# Altium PCB JMU-ETA-Ruler V2.0.PcbDoc (part 1 of 2)
Units mm, origin at the board's own origin, x right, y up, seen from the top; angles counter-clockwise.
Board outline 156.25 x 24.4 mm, 2 copper layers (Top Layer, Bottom Layer); 28 components, 0 nets, 863 pads, 0 vias.
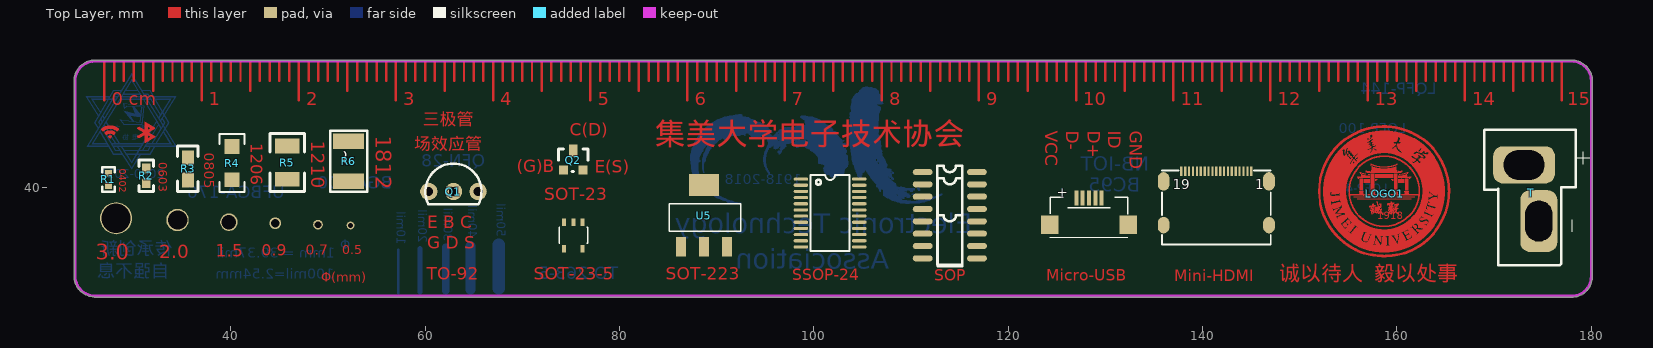
[diagram p0: Top Layer view]
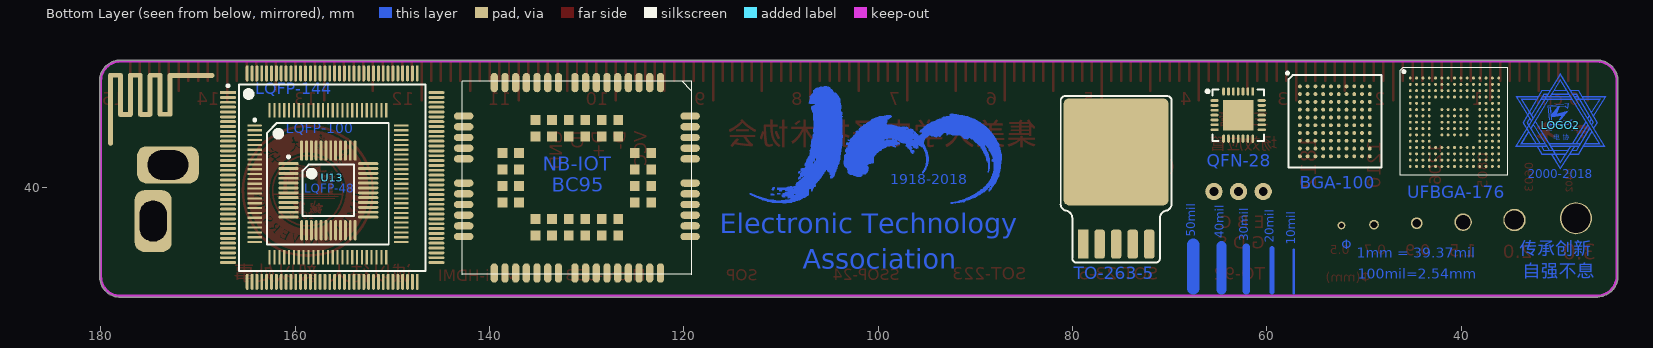
[diagram p1: Bottom Layer view, seen from below]

## Layer stack, top to bottom
Top Solder: solder mask 0.0102, Solder Resist, Dk 3.5
Top Layer: signal copper 0.0356
Dielectric 1: dielectric 0.32, FR-4, Dk 4.8
Bottom Layer: signal copper 0.0356
Bottom Solder: solder mask 0.0102, Solder Resist, Dk 3.5

## Board outline
23.873,30.902 23.873,51 cw(c26,51) 26,53.127 178,53.127 cw(c178,51) 180.127,51 cw(c180,51) 180.127,50.999 180.127,30.658 cw(c180,30.658) 180.111,30.596 cw(c178,30.857) 178,28.73 26.018,28.73 cw(c26.018,28.857) 25.938,28.758 cw(c26.018,30.902)

## Design rules (kind name [scope] priority, off if disabled: settings)
Clearance [All] p1: gap=0.254 ignorepadtopadclearanceinfootprint=FALSE except(0: Arc-Hole Track-Hole SMDPad-Hole THPad-Hole Via-Hole Fill-Hole Poly-Hole Region-Hole Text-Hole)
ComponentClearance [All] p1 off: gap=0 collisioncheckmode=3 verticalgap=0 showdistances=FALSE
PolygonConnect [All] p1: connectstyle=Relief reliefconductorwidth=0.254 reliefentries=4 polygonreliefangle="90 Angle" airgapwidth=0.254
RoutingVias [All] p1: holewidth=0.711 width=1.27 viastyle="Through Hole" minholewidth=0.711 minwidth=1.27 maxholewidth=0.711 maxwidth=1.27
SolderMaskExpansion [All] p1: expansion=0.102
Width [All] p1: maxlimit=10 minlimit=0.254 preferedwidth=0.254
29 further rules are at their usual default settings.

## Classes and differential pairs
component class 电协ruler: LOGO1 LOGO2 Q1 Q2 R1 R2 R3 R4 R5 R6 U5 U13

## Components (designator, comment, footprint, x,y, rotation, side; value= is the part's Value field where it differs from the comment)
LOGO1 "JMU_LOGO" JMU_LOGO(1.35cm) 158.75,39.37 r0 top
LOGO2 "电协LOGO" 电协LOGO 29.769,46.431 r180 bottom locked
Q1 "NPN" TO-92 60.35,39.573 r270 top
Q2 "NPN" SOT-23 74.248,41.808 r0 top
R1 "1K" 0402R 27.4,40.212 r90 top
R2 "1K" 0603R 31.275,40.502 r90 top
R3 "1K" 0805R 35.6,41.939 r270 top
R4 "1K" 1206R 40.1,42.577 r270 top
R5 "1K" 1210R 45.8,40.872 r90 top
R6 "1K" 1812 52.125,40.55 r90 top
T "T型头" T型头 173.05,42.723 r270 top
U5 "" SOT-223 88.697,37.109 r90 top
U7 "CP2102" QFN-28 65.38,48.971 r270 bottom
U13 "STM32F407ZET6" LQFP-144 164.719,49.682 r180 bottom
? "Comment" BC95 131.013,41.021 r270 bottom
? "Comment" 685119136923 141.427,38.1 r0 top
? "Comment" LQFP-100 161.138,45.009 r180 bottom
? "Comment" LQFP-48 156.591,39.726 r180 bottom
? "Comment" SO-16 111.201,41.607 r0 top
? "Comment" micro-USB 128.448,36.805 r0 top
? "Comment" UFBGA176_25 40.691,46.736 r180 bottom locked
? "Comment" JMU100 105.562,47.879 r180 top
? "Comment" SSOP-24 98.679,40.945 r0 top
? "Comment" TO-263-5 75.514,38.938 r180 bottom
? "Comment" SOT-23-5L 75.26,35.077 r270 top
? "Comment" "2.4G wifi" 176.759,48.666 r90 bottom
? "Comment" SOP-14 111.43,40.337 r0 top
? "Comment" so-8 111.201,36.527 r0 top

## Footprints (in the part's own frame and the unit in brackets; to place one, negate y for a bottom-side part, rotate by r counter-clockwise, add the part's x,y. Pads: shape width x height; smd on the part's side, far side on the other; paste and mask are expansions set on the pad)
"2.4G wifi" [mm]
  oval 0.5x1.5 smd: 1(-1.14,0.72) 1(-1.12,-1.32) 1(-1.11,-3.36) 1(2.9,-2.34) 1(2.9,-0.3) 1(2.9,1.74)
  oval 7.5x0.5 smd: 1(-0.6,2.25)
  oval 4.5x0.5 smd: 1(0.89,-3.87) 1(0.89,-2.85) 1(0.89,-1.83) 1(0.89,-0.81) 1(0.89,0.21) 1(0.89,1.23)
  oval 0.5x4.8 smd: 1(2.89,-6.05)
0402R [mm]
  rect 0.7x0.7 smd: 1(0,0) 2(1.27,0)
  silkscreen extent -0.64,-0.64 1.91,0.64, body extent 0.21,-0.2 1.21,0.3, height 0.35
0603R [mil]
  rect 40x35 smd: 1(-2,-1) 2(58,-1)
  silkscreen extent -35,-30 92,28, body extent -5,-17 61,15, height 22
0805R [mil]
  rect 60x50 smd: 1(-45,0) 2(45,0)
  silkscreen extent -92,-42 92,41, body extent -38,-25 40,25, height 22
1206R [mil]
  rect 60x60 smd: 1(-65.9,1.2) 2(69.1,1.2)
  silkscreen extent -116,-49 119,51, body extent -63,-30 63,33, height 24
1210R [mil]
  rect 60x100 smd: 1(0,0) 2(135,0)
  silkscreen extent -50,-70 185,70, body extent -12,-49 146,49, height 67
1812 [mm]
  rect 1.6x3.2 smd: 1(0.127,0) 2(4.227,0)
  silkscreen extent -0.97,-1.9 5.33,1.9, body extent -0.07,-1.6 4.43,1.6, height 1.6
685119136923 [mm] "Mini HDMI SMT Horizontal"
  rect 0.23x1 smd: 1(3.6,3.6) 2(3.2,3.6) 3(2.8,3.6) 4(2.4,3.6) 5(2,3.6) 6(1.6,3.6) 7(1.2,3.6) 8(0.8,3.6) 9(0.4,3.6) 10(0,3.6) 11(-0.4,3.6) 12(-0.8,3.6) 13(-1.2,3.6) 14(-1.6,3.6) 15(-2,3.6) 16(-2.4,3.6) 17(-2.8,3.6) 18(-3.2,3.6) 19(-3.6,3.6)
  oval 1.2x1.7 smd: Shell(-5.425,-1.95) Shell(5.425,-1.95)
  oval 1.2x1.9 smd: Shell(-5.425,2.55) Shell(5.425,2.55)
  silkscreen extent -5.6,-3.95 5.6,3.65, body extent -5.62,-3.95 5.63,3.95, height 3.29
BC95 [mm]
  oval 2x0.75 smd: 1(-9.8,8.6) 2(-9.8,7.5) 3(-9.8,6.4) 4(-9.8,5.3) 5(-9.8,4.2) 6(-9.8,3.1) 7(-9.8,2) 8(-9.8,0.9) 9(-9.8,-0.2) 10(-9.8,-1.9) 11(-9.8,-3) 12(-9.8,-4.1) 13(-9.8,-5.2) 14(-9.8,-6.3) 15(-9.8,-7.4) 16(-9.8,-8.5) 28(9.8,-8.5) 29(9.8,-7.4) 30(9.8,-6.3) 31(9.8,-5.2) 32(9.8,-4.1) 33(9.8,-3) 34(9.8,-1.9) 35(9.8,-0.2) 36(9.8,0.9) 37(9.8,2) 38(9.8,3.1) 39(9.8,4.2) 40(9.8,5.3) 41(9.8,6.4) 42(9.8,7.5) 43(9.8,8.6)
  oval 0.75x2 smd: 17(-6.35,-11.65) 18(-5.25,-11.65) 19(-4.15,-11.65) 20(-3.05,-11.65) 21(-1.95,-11.65) 22(0.55,-11.65) 23(1.65,-11.65) 24(2.75,-11.65) 25(3.85,-11.65) 26(4.95,-11.65) 27(6.05,-11.65) 44(6.05,11.65) 45(4.95,11.65) 46(3.85,11.65) 47(2.75,11.65) 48(1.65,11.65) 49(0.55,11.65) 50(-1.95,11.65) 51(-3.05,11.65) 52(-4.15,11.65) 53(-5.25,11.65) 54(-6.35,11.65)
  rect 1x1 smd: 55(-5.95,4.25) 56(-5.95,2.55) 57(-5.95,0.85) 58(-5.95,-0.85) 59(-5.95,-2.55) 60(-5.95,-4.25) 61(-2.55,-7.65) 62(-0.85,-7.65) 63(0.85,-7.65) 64(2.55,-7.65) 65(5.95,-4.25) 66(5.95,-2.55) 67(5.95,-0.85) 68(5.95,0.85) 69(5.95,2.55) 70(5.95,4.25) 71(2.55,7.65) 72(0.85,7.65) 73(-0.85,7.65) 74(-2.55,7.65) 75(-4.25,4.25) 76(-4.25,2.55) 77(-4.25,0.85) 78(-4.25,-0.85) 79(-4.25,-2.55) 80(-4.25,-4.25) 81(-2.55,-5.95) 82(-0.85,-5.95) 83(0.85,-5.95) 84(2.55,-5.95) 85(4.25,-4.25) 86(4.25,-2.55) 87(4.25,-0.85) 88(4.25,0.85) 89(4.25,2.55) 90(4.25,4.25) 91(2.55,5.95) 92(0.85,5.95) 93(-0.85,5.95) 94(-2.55,5.95)
  silkscreen extent -9.96,-11.8 9.96,11.8
JMU100 [mm]
  Bottom Layer drawing of 979 lines, arcs and shapes, not listed
JMU_LOGO(1.35cm) [mm]
  Top Layer drawing of 2455 lines, arcs and shapes, not listed
LQFP-48 [mm]
  oval 2.1x0.3 smd: 1(-4.1,2.75) 2(-4.1,2.25) 3(-4.1,1.75) 4(-4.1,1.25) 5(-4.1,0.75) 6(-4.1,0.25) 7(-4.1,-0.25) 8(-4.1,-0.75) 9(-4.1,-1.25) 10(-4.1,-1.75) 11(-4.1,-2.25) 12(-4.1,-2.75) 25(4.1,-2.75) 26(4.1,-2.25) 27(4.1,-1.75) 28(4.1,-1.25) 29(4.1,-0.75) 30(4.1,-0.25) 31(4.1,0.25) 32(4.1,0.75) 33(4.1,1.25) 34(4.1,1.75) 35(4.1,2.25) 36(4.1,2.75)
  oval 0.3x2.1 smd: 13(-2.75,-4.1) 14(-2.25,-4.1) 15(-1.75,-4.1) 16(-1.25,-4.1) 17(-0.75,-4.1) 18(-0.25,-4.1) 19(0.25,-4.1) 20(0.75,-4.1) 21(1.25,-4.1) 22(1.75,-4.1) 23(2.25,-4.1) 24(2.75,-4.1) 37(2.75,4.1) 38(2.25,4.1) 39(1.75,4.1) 40(1.25,4.1) 41(0.75,4.1) 42(0.25,4.1) 43(-0.25,4.1) 44(-0.75,4.1) 45(-1.25,4.1) 46(-1.75,4.1) 47(-2.25,4.1) 48(-2.75,4.1)
  silkscreen extent -4.23,-2.65 2.65,3.57, body extent -4.5,-4.5 4.5,4.5, height 1.5
LQFP-100 [mm]
  oval 1.5x0.22 smd: 1(-3.048,1.397)
  rect 1.5x0.22 smd: 2(-3.048,0.897) 3(-3.048,0.397) 4(-3.048,-0.103) 5(-3.048,-0.603) 6(-3.048,-1.103) 7(-3.048,-1.603) 8(-3.048,-2.103) 9(-3.048,-2.603) 10(-3.048,-3.103) 11(-3.048,-3.603) 12(-3.048,-4.103) 13(-3.048,-4.603) 14(-3.048,-5.103) 15(-3.048,-5.603) 16(-3.048,-6.103) 17(-3.048,-6.603) 18(-3.048,-7.103) 19(-3.048,-7.603) 20(-3.048,-8.103) 21(-3.048,-8.603) 22(-3.048,-9.103) 23(-3.048,-9.603) 24(-3.048,-10.103) 25(-3.048,-10.603) 51(12.05,-10.603) 52(12.05,-10.103) 53(12.05,-9.603) 54(12.05,-9.103) 55(12.05,-8.603) 56(12.05,-8.103) 57(12.05,-7.603) 58(12.05,-7.103) 59(12.05,-6.603) 60(12.05,-6.103) 61(12.05,-5.603) 62(12.05,-5.103) 63(12.05,-4.603) 64(12.05,-4.103) 65(12.05,-3.603) 66(12.05,-3.103) 67(12.05,-2.603) 68(12.05,-2.103) 69(12.05,-1.603) 70(12.05,-1.103) 71(12.05,-0.603) 72(12.05,-0.103) 73(12.05,0.397) 74(12.05,0.897) 75(12.05,1.397)
  rect 0.22x1.5 smd: 26(-1.499,-12.152) 27(-0.999,-12.152) 28(-0.499,-12.152) 29(0.001,-12.152) 30(0.501,-12.152) 31(1.001,-12.152) 32(1.501,-12.152) 33(2.001,-12.152) 34(2.501,-12.152) 35(3.001,-12.152) 36(3.501,-12.152) 37(4.001,-12.152) 38(4.501,-12.152) 39(5.001,-12.152) 40(5.501,-12.152) 41(6.001,-12.152) 42(6.501,-12.152) 43(7.001,-12.152) 44(7.501,-12.152) 45(8.001,-12.152) 46(8.501,-12.152) 47(9.001,-12.152) 48(9.501,-12.152) 49(10.001,-12.152) 50(10.501,-12.152) 76(10.501,2.946) 77(10.001,2.946) 78(9.501,2.946) 79(9.001,2.946) 80(8.501,2.946) 81(8.001,2.946) 82(7.501,2.946) 83(7.001,2.946) 84(6.501,2.946) 85(6.001,2.946) 86(5.501,2.946) 87(5.001,2.946) 88(4.501,2.946) 89(4.001,2.946) 90(3.501,2.946) 91(3.001,2.946) 92(2.501,2.946) 93(2.001,2.946) 94(1.501,2.946) 95(1.001,2.946) 96(0.501,2.946) 97(0.001,2.946) 98(-0.499,2.946) 99(-0.999,2.946) 100(-1.499,2.946)
  silkscreen extent -3.15,-10.87 10.76,2.07, body extent -3.57,-12.68 12.57,3.47, height 1.62
LQFP-144 [mm]
  rect 1.651x0.3 smd: 1(-2.199,0.11)
  oval 1.651x0.3 smd: 2(-2.199,-0.39) 3(-2.199,-0.89) 4(-2.199,-1.39) 5(-2.199,-1.89) 6(-2.199,-2.39) 7(-2.199,-2.89) 8(-2.199,-3.39) 9(-2.199,-3.89) 10(-2.199,-4.39) 11(-2.199,-4.89) 12(-2.199,-5.39) 13(-2.199,-5.89) 14(-2.199,-6.39) 15(-2.199,-6.89) 16(-2.199,-7.39) 17(-2.199,-7.89) 18(-2.199,-8.39) 19(-2.199,-8.89) 20(-2.199,-9.39) 21(-2.199,-9.89) 22(-2.199,-10.39) 23(-2.199,-10.89) 24(-2.199,-11.39) 25(-2.199,-11.89) 26(-2.199,-12.39) 27(-2.199,-12.89) 28(-2.199,-13.39) 29(-2.199,-13.89) 30(-2.199,-14.39) 31(-2.199,-14.89) 32(-2.199,-15.39) 33(-2.199,-15.89) 34(-2.199,-16.39) 35(-2.199,-16.89) 36(-2.199,-17.39) 73(19.251,-17.39) 74(19.251,-16.89) 75(19.251,-16.39) 76(19.251,-15.89) 77(19.251,-15.39) 78(19.251,-14.89) 79(19.251,-14.39) 80(19.251,-13.89) 81(19.251,-13.39) 82(19.251,-12.89) 83(19.251,-12.39) 84(19.251,-11.89) 85(19.251,-11.39) 86(19.251,-10.89) 87(19.251,-10.39) 88(19.251,-9.89) 89(19.251,-9.39) 90(19.251,-8.89) 91(19.251,-8.39) 92(19.251,-7.89) 93(19.251,-7.39) 94(19.251,-6.89) 95(19.251,-6.39) 96(19.251,-5.89) 97(19.251,-5.39) 98(19.251,-4.89) 99(19.251,-4.39) 100(19.251,-3.89) 101(19.251,-3.39) 102(19.251,-2.89) 103(19.251,-2.39) 104(19.251,-1.89) 105(19.251,-1.39) 106(19.251,-0.89) 107(19.251,-0.39) 108(19.251,0.11)
  oval 0.3x1.651 smd: 37(-0.224,-19.365) 38(0.276,-19.365) 39(0.776,-19.365) 40(1.276,-19.365) 41(1.776,-19.365) 42(2.276,-19.365) 43(2.776,-19.365) 44(3.276,-19.365) 45(3.776,-19.365) 46(4.276,-19.365) 47(4.776,-19.365) 48(5.276,-19.365) 49(5.776,-19.365) 50(6.276,-19.365) 51(6.776,-19.365) 52(7.276,-19.365) 53(7.776,-19.365) 54(8.276,-19.365) 55(8.776,-19.365) 56(9.276,-19.365) 57(9.776,-19.365) 58(10.276,-19.365) 59(10.776,-19.365) 60(11.276,-19.365) 61(11.776,-19.365) 62(12.276,-19.365) 63(12.776,-19.365) 64(13.276,-19.365) 65(13.776,-19.365) 66(14.276,-19.365) 67(14.776,-19.365) 68(15.276,-19.365) 69(15.776,-19.365) 70(16.276,-19.365) 71(16.776,-19.365) 72(17.276,-19.365) 109(17.276,2.085) 110(16.776,2.085) 111(16.276,2.085) 112(15.776,2.085) 113(15.276,2.085) 114(14.776,2.085) 115(14.276,2.085) 116(13.776,2.085) 117(13.276,2.085) 118(12.776,2.085) 119(12.276,2.085) 120(11.776,2.085) 121(11.276,2.085) 122(10.776,2.085) 123(10.276,2.085) 124(9.776,2.085) 125(9.276,2.085) 126(8.776,2.085) 127(8.276,2.085) 128(7.776,2.085) 129(7.276,2.085) 130(6.776,2.085) 131(6.276,2.085) 132(5.776,2.085) 133(5.276,2.085) 134(4.776,2.085) 135(4.276,2.085) 136(3.776,2.085) 137(3.276,2.085) 138(2.776,2.085) 139(2.276,2.085) 140(1.776,2.085) 141(1.276,2.085) 142(0.776,2.085) 143(0.276,2.085) 144(-0.224,2.085)
  silkscreen extent -2.32,-18.24 18.13,0.96, body extent -2.47,-19.64 19.53,2.36, height 1.6
micro-USB [mm]
  rect 0.4x1.55 smd: 1(-1.423,2.116) 2(-0.773,2.116) 3(-0.123,2.116) 4(0.527,2.116) 5(1.177,2.116)
  rect 1.8x1.9 smd: 6(-4.173,-0.634) 6(3.927,-0.634)
  silkscreen extent -4.17,-1.88 3.88,2.22, body extent -4.07,-2.7 3.88,3.08, height 2.47
QFN-28 [mm]
  rect 3.13x3.13 smd mask+0.051: 0(1.5,2.425)
  oval 0.28x0.85 smd mask+0.051: 1(0,0) 2(0.5,0) 3(1,0) 4(1.5,0) 5(2,0) 6(2.5,0) 7(3,0) 15(3,4.85) 16(2.5,4.85) 17(2,4.85) 18(1.5,4.85) 19(1,4.85) 20(0.5,4.85) 21(0,4.85)
  oval 0.85x0.28 smd mask+0.051: 8(3.925,0.925) 9(3.925,1.425) 10(3.925,1.925) 11(3.925,2.425) 12(3.925,2.925) 13(3.925,3.425) 14(3.925,3.925) 22(-0.925,3.925) 23(-0.925,3.425) 24(-0.925,2.925) 25(-0.925,2.425) 26(-0.925,1.925) 27(-0.925,1.425) 28(-0.925,0.925)
  silkscreen extent -1.15,-0.87 4.15,5.07, body extent -1,-0.06 4,4.94, height 1
so-8 [mil]
  oval 80x24 smd: 1(0,0) 2(0,-50) 3(0,-100) 4(0,-150) 5(220,-150) 6(220,-100) 7(220,-50) 8(220,0)
  silkscreen extent 60,-175 160,25, body extent -10,-171 217,22, height 57
SO-16 [mil]
  oval 80x24 smd: 1(0,0) 2(0,-50) 3(0,-100) 4(0,-150) 5(0,-200) 6(0,-250) 7(0,-300) 8(0,-350) 9(220,-350) 10(220,-300) 11(220,-250) 12(220,-200) 13(220,-150) 14(220,-100) 15(220,-50) 16(220,0)
  silkscreen extent 60,-375 160,25, body extent -12,-378 224,24, height 67
SOP-14 [mil]
  oval 80x24 smd: 1(-8.54,0.68) 2(-8.54,-49.32) 3(-8.54,-99.32) 4(-8.54,-149.32) 5(-8.54,-199.32) 6(-8.54,-249.32) 7(-8.54,-299.32) 8(211.46,-299.32) 9(211.46,-249.32) 10(211.46,-199.32) 11(211.46,-149.32) 12(211.46,-99.32) 13(211.46,-49.32) 14(211.46,0.68)
  silkscreen extent 51,-331 151,26, body extent -43,-349 244,52, height 43
SOT-23 [mil]
  rect 36x36 smd: 1(0,0) 2(78.74,0)
  rect 36x50 smd: 3(39.37,78.74)
  silkscreen extent -20,-5 99,85, body extent -20,-18 98,81, height 41
SOT-23-5L [mil] "Enhanced single channel power switches"
  rect 30x16 smd: 1(-53.15,37.4) 2(-53.15,0) 3(-53.15,-37.4) 4(53.15,-37.4) 5(53.15,37.4)
  silkscreen extent -33,-58 32,57, body extent -34,-59 34,59, height 57
SOT-223 [mil] "Adjustable and fixed low drop positive voltage regulator"
  rect 80x40 smd: 1(-125,93) 2(-125,0) 3(-125,-93)
  rect 90x120 smd: 4(125,0)
  silkscreen extent -62,-149 48,141, body extent -84,-132 62,132, height 71
SSOP-24 [mm]
  oval 1.5x0.33 smd: 1(0,-0.057) 2(0,-0.692) 3(0,-1.327) 4(0,-1.962) 5(0,-2.597) 6(0,-3.232) 7(0,-3.867) 8(0,-4.502) 9(0,-5.137) 10(0,-5.772) 11(0,-6.407) 12(0,-7.042) 13(6,-7.042) 14(6,-6.407) 15(6,-5.772) 16(6,-5.137) 17(6,-4.502) 18(6,-3.867) 19(6,-3.232) 20(6,-2.597) 21(6,-1.962) 22(6,-1.327) 23(6,-0.692) 24(6,-0.057)
  silkscreen extent 0.99,-7.45 4.98,0.35, body extent -0.98,-7.83 6.93,0.57, height 2.27
TO-92 [mil]
  round 70 hole 36: 1(-1,1) 2(-1,101) 3(-1,201)
  silkscreen extent -115,-13 51,215, body extent -101,-25 64,201, height 328
TO-263-5 [mm]
  rect 1.07x3 smd: 1(-3.4,-4.75)
  rrect50% 1.07x3 smd: 2(-1.7,-4.75) 3(0,-4.75) 4(1.7,-4.75) 5(3.4,-4.75)
  rrect10% 10.8x11 smd: 3(0,4.75)
  silkscreen extent -5.7,-6.66 5.7,10.5, body extent -5.14,-4.8 5.09,9.55, height 4.48
T型头 [mil]
  rrect50% 150x250 hole 120 slot 165.35 at 90 deg: 1(14.7,2.1)
  rrect50% 250x150 hole 110 slot 165.35 at 0 deg: 2(242.42,61.67)
  silkscreen extent -128,-159 421,267, body extent -105,-124 368,163, height 555
UFBGA176_25 [mm] "BGA, 1-Leads, Body 10.00x10.00mmx0.60mm, Pitch 0.65mm"
  round 0.3 smd paste-0.15 mask+0.051: A1(-4.55,4.55) A2(-3.9,4.55) A3(-3.25,4.55) A4(-2.6,4.55) A5(-1.95,4.55) A6(-1.3,4.55) A7(-0.65,4.55) A8(0,4.55) A9(0.65,4.55) A10(1.3,4.55) A11(1.95,4.55) A12(2.6,4.55) A13(3.25,4.55) A14(3.9,4.55) A15(4.55,4.55) B1(-4.55,3.9) B2(-3.9,3.9) B3(-3.25,3.9) B4(-2.6,3.9) B5(-1.95,3.9) B6(-1.3,3.9) B7(-0.65,3.9) B8(0,3.9) B9(0.65,3.9) B10(1.3,3.9) B11(1.95,3.9) B12(2.6,3.9) B13(3.25,3.9) B14(3.9,3.9) B15(4.55,3.9) C1(-4.55,3.25) C2(-3.9,3.25) C3(-3.25,3.25) C4(-2.6,3.25) C5(-1.95,3.25) C6(-1.3,3.25) C7(-0.65,3.25) C8(0,3.25) C9(0.65,3.25) C10(1.3,3.25) C11(1.95,3.25) C12(2.6,3.25) C13(3.25,3.25) C14(3.9,3.25) C15(4.55,3.25) D1(-4.55,2.6) D2(-3.9,2.6) D3(-3.25,2.6) D4(-2.6,2.6) D5(-1.95,2.6) D6(-1.3,2.6) D7(-0.65,2.6) D8(0,2.6) D9(0.65,2.6) D10(1.3,2.6) D11(1.95,2.6) D12(2.6,2.6) D13(3.25,2.6) D14(3.9,2.6) D15(4.55,2.6) E1(-4.55,1.95) E2(-3.9,1.95) E3(-3.25,1.95) E4(-2.6,1.95) E12(2.6,1.95) E13(3.25,1.95) E14(3.9,1.95) E15(4.55,1.95) F1(-4.55,1.3) F2(-3.9,1.3) F3(-3.25,1.3) F4(-2.6,1.3) F6(-1.3,1.3) F7(-0.65,1.3) F8(0,1.3) F9(0.65,1.3) F10(1.3,1.3) F12(2.6,1.3) F13(3.25,1.3) F14(3.9,1.3) F15(4.55,1.3) G1(-4.55,0.65) G2(-3.9,0.65) G3(-3.25,0.65) G4(-2.6,0.65) G6(-1.3,0.65) G7(-0.65,0.65) G8(0,0.65) G9(0.65,0.65) G10(1.3,0.65) G12(2.6,0.65) G13(3.25,0.65) G14(3.9,0.65) G15(4.55,0.65) H1(-4.55,0) H2(-3.9,0) H3(-3.25,0) H4(-2.6,0) H6(-1.3,0) H7(-0.65,0) H8(0,0) H9(0.65,0) H10(1.3,0) H12(2.6,0) H13(3.25,0) H14(3.9,0) H15(4.55,0) J1(-4.55,-0.65) J2(-3.9,-0.65) J3(-3.25,-0.65) J4(-2.6,-0.65) J6(-1.3,-0.65) J7(-0.65,-0.65) J8(0,-0.65) J9(0.65,-0.65) J10(1.3,-0.65) J12(2.6,-0.65) J13(3.25,-0.65) J14(3.9,-0.65) J15(4.55,-0.65) K1(-4.55,-1.3) K2(-3.9,-1.3) K3(-3.25,-1.3) K4(-2.6,-1.3) K6(-1.3,-1.3) K7(-0.65,-1.3) K8(0,-1.3) K9(0.65,-1.3) K10(1.3,-1.3) K12(2.6,-1.3) K13(3.25,-1.3) K14(3.9,-1.3) K15(4.55,-1.3) L1(-4.55,-1.95) L2(-3.9,-1.95) L3(-3.25,-1.95) L4(-2.6,-1.95) L12(2.6,-1.95) L13(3.25,-1.95) L14(3.9,-1.95) L15(4.55,-1.95) M1(-4.55,-2.6) M2(-3.9,-2.6) M3(-3.25,-2.6) M4(-2.6,-2.6) M5(-1.95,-2.6) M6(-1.3,-2.6) M7(-0.65,-2.6) M8(0,-2.6) M9(0.65,-2.6) M10(1.3,-2.6) M11(1.95,-2.6) M12(2.6,-2.6) M13(3.25,-2.6) M14(3.9,-2.6) M15(4.55,-2.6) N1(-4.55,-3.25) N2(-3.9,-3.25) N3(-3.25,-3.25) N4(-2.6,-3.25) N5(-1.95,-3.25) N6(-1.3,-3.25) N7(-0.65,-3.25) N8(0,-3.25) N9(0.65,-3.25) N10(1.3,-3.25) N11(1.95,-3.25) N12(2.6,-3.25) N13(3.25,-3.25) N14(3.9,-3.25) N15(4.55,-3.25) P1(-4.55,-3.9) P2(-3.9,-3.9) P3(-3.25,-3.9) P4(-2.6,-3.9) P5(-1.95,-3.9) P6(-1.3,-3.9) P7(-0.65,-3.9) P8(0,-3.9) P9(0.65,-3.9) P10(1.3,-3.9) P11(1.95,-3.9) P12(2.6,-3.9) P13(3.25,-3.9) P14(3.9,-3.9) P15(4.55,-3.9) R1(-4.55,-4.55) R2(-3.9,-4.55) R3(-3.25,-4.55) R4(-2.6,-4.55) R5(-1.95,-4.55) R6(-1.3,-4.55) R7(-0.65,-4.55) R8(0,-4.55) R9(0.65,-4.55) R10(1.3,-4.55) R11(1.95,-4.55) R12(2.6,-4.55) R13(3.25,-4.55) R14(3.9,-4.55) R15(4.55,-4.55)
  silkscreen extent -5.59,-5.46 5.46,5.59, body extent -5.02,-5.02 5.03,5.03, height 0.61
电协LOGO [mm]
  Top Layer region: -0.307,1.911 -0.961,1.079 -0.917,0.832 0.124,0.984 -0.282,0.374 -0.13,0.374 0.81,1.467 -0.422,1.187 -0.092,1.949
  Top Layer region: -0.028,5.327 -0.307,4.896 -4.676,-2.191 -4.473,-2.191 -1.45,-2.192 -1.4,-2.115 -1.568,-1.834 -1.654,-1.861 -3.965,-1.861 -3.279,-0.743 -3.33,-0.642 -4.143,-1.937 -1.603,-1.937 -1.488,-2.115 -4.524,-2.115 -0.028,5.15 1.344,2.914 4.442,-2.115 2.41,-2.115 2.36,-2.191 4.595,-2.191 4.341,-1.785
  Top Layer region: -1.12,2.965 -0.765,3.499 -0.028,4.718 4.061,-1.937 2.512,-1.937 2.563,-1.861 3.909,-1.861 -0.028,4.565 -1.019,2.965
  Top Layer region: 1.242,3.219 1.648,3.219 3.401,0.298 3.223,-0.007 3.172,0.095 3.299,0.298 1.598,3.143 1.293,3.143
  Top Layer region: -1.171,-1.861 0.607,-1.861 2.029,-1.861 2.004,-1.937 -1.171,-1.937
  Top Layer region: -1.019,-2.115 0.759,-2.115 1.928,-2.115 1.902,-2.191 -1.019,-2.191
  Top Layer region: -1.679,-2.572 -0.612,-2.572 0.81,-2.572 0.785,-2.648 -1.73,-2.648 -2.009,-2.166 -1.908,-2.191
  Top Layer region: 1.013,3.6 1.852,3.6 3.807,0.247 3.426,-0.388 3.376,-0.286 3.706,0.247 1.801,3.524 1.013,3.524
  Top Layer region: -1.095,3.6 -1.957,3.6 -3.889,0.273 -2.58,-1.909 -2.517,-1.861 -3.787,0.273 -1.908,3.524 -1.095,3.524
  Top Layer region: -2.314,2.965 -4.625,2.965 -3.025,0.4 -2.974,0.451 -4.473,2.889 -2.365,2.889
  Top Layer region: -2.428,2.711 -4.079,2.711 -2.847,0.73 -2.771,0.755 -3.927,2.635 -2.517,2.635
  Top Layer region: -1.298,2.66 -3.089,-0.273 -3.038,-0.349 -1.196,2.66
  Top Layer region: 2.588,0.4 1.191,-1.873 1.217,-1.912 1.318,-1.861 2.639,0.324
  Top Layer region: 2.791,0.095 1.572,-1.886 1.674,-1.912 2.842,0.019
  Top Layer region: 2.966,-0.266 1.598,-2.572 1.217,-2.572 1.191,-2.648 1.648,-2.648 3.045,-0.311
  Top Layer region: 3.198,-0.591 1.801,-2.953 0.963,-2.953 0.912,-3.029 1.852,-3.029 3.249,-0.692
  Top Layer region: -3.178,0.654 -3.193,0.746 -3.482,0.273 -2.173,-1.909 -2.111,-1.861 -3.381,0.273 -3.119,0.671
  Top Layer region: -1.895,-2.953 -0.828,-2.953 0.594,-2.953 0.569,-3.029 -1.946,-3.029 -2.454,-2.14 -2.352,-2.166
  Top Layer region: -0.942,-3.029 -0.333,-4.02 -0.021,-4.549 1.521,-2.14 1.42,-2.14 -0.021,-4.375 -0.866,-2.978 -0.942,-3.004
  Top Layer region: -2.613,0.364 -0.333,-3.385 -0.021,-3.914 1.115,-2.14 1.013,-2.14 -0.021,-3.74 -0.866,-2.343 -2.593,0.476
  Top Layer region: -2.816,0.06 -1.192,-2.61 -1.108,-2.61 -1.117,-2.57 -2.797,0.171
  Top Layer region: 0.836,2.279 0.759,1.695 0.429,1.949 0.48,2 0.709,1.822 0.759,2.203 -1.247,1.949 -1.057,0.082 0.759,0.12 1.039,0.501 -0.892,0.247 -1.095,1.924 0.48,2 0.429,1.949 -1.019,1.873 -0.841,0.324 1.064,0.578 1.191,0.603 0.785,0.07 -1.12,0.019 -1.323,2
  Top Layer region: -1.781,2.965 0.988,2.965 0.988,2.94 1.013,2.889 -1.831,2.889
  Top Layer region: -2.009,2.635 -1.958,2.711 1.115,2.711 1.166,2.635
  Top Layer region: -0.942,3.219 0.836,3.219 0.81,3.219 0.861,3.194 0.861,3.143 -0.993,3.143
  Top Layer region: -1.323,3.219 -1.73,3.219 -3.013,1.098 -2.949,1.035 -1.679,3.143 -1.374,3.143
  Top Layer region: 1.75,2.965 1.394,2.965 1.344,2.914 1.445,2.914 1.471,2.889 1.75,2.889
  Top Layer region: 1.928,2.711 1.572,2.711 1.521,2.66 1.598,2.635 1.928,2.635
  Top Layer region: -0.663,3.6 0.607,3.6 0.632,3.575 0.658,3.549 0.683,3.524 -0.714,3.524
  Top Layer region: 2.207,2.965 4.646,2.965 4.671,2.965 3.401,0.933 3.337,0.997 4.519,2.889 2.233,2.889
  Top Layer region: 1.648,2.711 4.087,2.711 4.112,2.711 3.172,1.213 3.147,1.34 3.96,2.635 1.674,2.635
  Top Layer region: 2.766,0.705 2.918,0.959 2.969,0.908 2.969,0.857 2.842,0.654 2.791,0.654
  Top Layer region: 2.969,0.374 3.122,0.628 3.172,0.578 3.172,0.527 3.045,0.324 2.995,0.324

## Part data
LOGO1: "LOGO"
Q1 Q2: "NPN三极管"
R1 R2 R3 R4 R5 R6: library part Res, "电阻"
T: "T型接头"
U5: library part AMS1117-3.3V/5.0V, "电源芯片"
U13: "STM32单片机144引脚"

## Free pads (board coordinates)
  round 3.3 hole 3: 95(28.194,36.855)
  round 2.3 hole 2: 95(34.519,36.678)
  round 1.8 hole 1.5: 95(39.802,36.449)
  round 1.2 hole 0.9: 95(44.577,36.347)
  round 1 hole 0.7: 95(48.971,36.195)
  round 0.8 hole 0.5: 95(52.324,36.119)
  round 0.4 smd far side: A1(56.607,50.43) A2(56.607,49.63) A3(56.607,48.83) A4(56.607,48.03) A5(56.607,47.23) A6(56.607,46.43) A7(56.607,45.63) A8(56.607,44.83) A9(56.607,44.03) A10(56.607,43.23) B1(55.807,50.43) B2(55.807,49.63) B3(55.807,48.83) B4(55.807,48.03) B5(55.807,47.23) B6(55.807,46.43) B7(55.807,45.63) B8(55.807,44.83) B9(55.807,44.03) B10(55.807,43.23) C1(55.007,50.43) C2(55.007,49.63) C3(55.007,48.83) C4(55.007,48.03) C5(55.007,47.23) C6(55.007,46.43) C7(55.007,45.63) C8(55.007,44.83) C9(55.007,44.03) C10(55.007,43.23) D1(54.207,50.43) D2(54.207,49.63) D3(54.207,48.83) D4(54.207,48.03) D5(54.207,47.23) D6(54.207,46.43) D7(54.207,45.63) D8(54.207,44.83) D9(54.207,44.03) D10(54.207,43.23) E1(53.407,50.43) E2(53.407,49.63) E3(53.407,48.83) E4(53.407,48.03) E5(53.407,47.23) E6(53.407,46.43) E7(53.407,45.63) E8(53.407,44.83) E9(53.407,44.03) E10(53.407,43.23) F1(52.607,50.43) F2(52.607,49.63) F3(52.607,48.83) F4(52.607,48.03) F5(52.607,47.23) F6(52.607,46.43) F7(52.607,45.63) F8(52.607,44.83) F9(52.607,44.03) F10(52.607,43.23) G1(51.807,50.43) G2(51.807,49.63) G3(51.807,48.83) G4(51.807,48.03) G5(51.807,47.23) G6(51.807,46.43) G7(51.807,45.63) G8(51.807,44.83) G9(51.807,44.03) G10(51.807,43.23) H1(51.007,50.43) H2(51.007,49.63) H3(51.007,48.83) H4(51.007,48.03) H5(51.007,47.23) H6(51.007,46.43) H7(51.007,45.63) H8(51.007,44.83) H9(51.007,44.03) H10(51.007,43.23) J1(50.207,50.43) J2(50.207,49.63) J3(50.207,48.83) J4(50.207,48.03) J5(50.207,47.23) J6(50.207,46.43) J7(50.207,45.63) J8(50.207,44.83) J9(50.207,44.03) J10(50.207,43.23) K1(49.407,50.43) K2(49.407,49.63) K3(49.407,48.83) K4(49.407,48.03) K5(49.407,47.23) K6(49.407,46.43) K7(49.407,45.63) K8(49.407,44.83) K9(49.407,44.03) K10(49.407,43.23)

## Nets (pads, with @x,y where several pads share a name; then routed paths per layer and width w, separated by ;. In a path a pad name is that pad's centre, name@x,y a point inside that pad or via, vN(x,y) a via of type N, cw(c..) or ccw(c..) an arc to the next point about the centre after c; other vN are vias at no path point)
pads on no net: ?.1 ?.2 ?.3 ?.4 ?.5 ?.6 ?.7 ?.8 ?.9 ?.10 ?.11 ?.12 ?.13 ?.14 ?.15 ?.16 ?.17 ?.18 ?.19 ?.20 ?.21 ?.22 ?.23 ?.24 ?.25 ?.26 ?.27 ?.28 ?.29 ?.30 ?.31 ?.32 ?.33 ?.34 ?.35 ?.36 ?.37 ?.38 ?.39 ?.40 ?.41 ?.42 ?.43 ?.44 ?.45 ?.46 ?.47 ?.48 ?.49 ?.50 ?.51 ?.52 ?.53 ?.54 ?.55 ?.56 ?.57 ?.58 ?.59 ?.60 ?.61 ?.62 ?.63 ?.64 ?.65 ?.66 ?.67 ?.68 ?.69 ?.70 ?.71 ?.72 ?.73 ?.74 ?.75 ?.76 ?.77 ?.78 ?.79 ?.80 ?.81 ?.82 ?.83 ?.84 ?.85 ?.86 ?.87 ?.88 ?.89 ?.90 ?.91 ?.92 ?.93 ?.94 ?.95 ?.96 ?.97 ?.98 ?.99 ?.100 ?.A1 ?.A2 ?.A3 ?.A4 ?.A5 ?.A6 ?.A7 ?.A8 ?.A9 ?.A10 ?.A11 ?.A12 ?.A13 ?.A14 ?.A15 ?.B1 ?.B2 ?.B3 ?.B4 ?.B5 ?.B6 ?.B7 ?.B8 ?.B9 ?.B10 ?.B11 ?.B12 ?.B13 ?.B14 ?.B15 ?.C1 ?.C2 ?.C3 ?.C4 ?.C5 ?.C6 ?.C7 ?.C8 ?.C9 ?.C10 ?.C11 ?.C12 ?.C13 ?.C14 ?.C15 ?.D1 ?.D2 ?.D3 ?.D4 ?.D5 ?.D6 ?.D7 ?.D8 ?.D9 ?.D10 ?.D11 ?.D12 ?.D13 ?.D14 ?.D15 ?.E1 ?.E2 ?.E3 ?.E4 ?.E12 ?.E13 ?.E14 ?.E15 ?.F1 ?.F2 ?.F3 ?.F4 ?.F6 ?.F7 ?.F8 ?.F9 ?.F10 ?.F12 ?.F13 ?.F14 ?.F15 ?.G1 ?.G2 ?.G3 ?.G4 ?.G6 ?.G7 ?.G8 ?.G9 ?.G10 ?.G12 ?.G13 ?.G14 ?.G15 ?.H1 ?.H2 ?.H3 ?.H4 ?.H6 ?.H7 ?.H8 ?.H9 ?.H10 ?.H12 ?.H13 ?.H14 ?.H15 ?.J1 ?.J2 ?.J3 ?.J4 ?.J6 ?.J7 ?.J8 ?.J9 ?.J10 ?.J12 ?.J13 ?.J14 ?.J15 ?.K1 ?.K2 ?.K3 ?.K4 ?.K6 ?.K7 ?.K8 ?.K9 ?.K10 ?.K12 ?.K13 ?.K14 ?.K15 ?.L1 ?.L2 ?.L3 ?.L4 ?.L12 ?.L13 ?.L14 ?.L15 ?.M1 ?.M2 ?.M3 ?.M4 ?.M5 ?.M6 ?.M7 ?.M8 ?.M9 ?.M10 ?.M11 ?.M12 ?.M13 ?.M14 ?.M15 ?.N1 ?.N2 ?.N3 ?.N4 ?.N5 ?.N6 ?.N7 ?.N8 ?.N9 ?.N10 ?.N11 ?.N12 ?.N13 ?.N14 ?.N15 ?.P1 ?.P2 ?.P3 ?.P4 ?.P5 ?.P6 ?.P7 ?.P8 ?.P9 ?.P10 ?.P11 ?.P12 ?.P13 ?.P14 ?.P15 ?.R1 ?.R2 ?.R3 ?.R4 ?.R5 ?.R6 ?.R7 ?.R8 ?.R9 ?.R10 ?.R11 ?.R12 ?.R13 ?.R14 ?.R15 ?.Shell Q1.1 Q1.2 Q1.3 Q2.1 Q2.2 Q2.3 R1.1 R1.2 R2.1 R2.2 R3.1 R3.2 R4.1 R4.2 R5.1 R5.2 R6.1 R6.2 T.1 T.2 U5.1 U5.2 U5.3 U5.4 U7.0 U7.1 U7.2 U7.3 U7.4 U7.5 U7.6 U7.7 U7.8 U7.9 U7.10 U7.11 U7.12 U7.13 U7.14 U7.15 U7.16 U7.17 U7.18 U7.19 U7.20 U7.21 U7.22 U7.23 U7.24 U7.25 U7.26 U7.27 U7.28 U13.1 U13.2 U13.3 U13.4 U13.5 U13.6 U13.7 U13.8 U13.9 U13.10 U13.11 U13.12 U13.13 U13.14 U13.15 U13.16 U13.17 U13.18 U13.19 U13.20 U13.21 U13.22 U13.23 U13.24 U13.25 U13.26 U13.27 U13.28 U13.29 U13.30 U13.31 U13.32 U13.33 U13.34 U13.35 U13.36 U13.37 U13.38 U13.39 U13.40 U13.41 U13.42 U13.43 U13.44 U13.45 U13.46 U13.47 U13.48 U13.49 U13.50 U13.51 U13.52 U13.53 U13.54 U13.55 U13.56 U13.57 U13.58 U13.59 U13.60 U13.61 U13.62 U13.63 U13.64 U13.65 U13.66 U13.67 U13.68 U13.69 U13.70 U13.71 U13.72 U13.73 U13.74 U13.75 U13.76 U13.77 U13.78 U13.79 U13.80 U13.81 U13.82 U13.83 U13.84 U13.85 U13.86 U13.87 U13.88 U13.89 U13.90 U13.91 U13.92 U13.93 U13.94 U13.95 U13.96 U13.97 U13.98 U13.99 U13.100 U13.101 U13.102 U13.103 U13.104 U13.105 U13.106 U13.107 U13.108 U13.109 U13.110 U13.111 U13.112 U13.113 U13.114 U13.115 U13.116 U13.117 U13.118 U13.119 U13.120 U13.121 U13.122 U13.123 U13.124 U13.125 U13.126 U13.127 U13.128 U13.129 U13.130 U13.131 U13.132 U13.133 U13.134 U13.135 U13.136 U13.137 U13.138 U13.139 U13.140 U13.141 U13.142 U13.143 U13.144